# Altium PCB PCB_SAMARUC_7.PcbDoc (part 1 of 3) (continued)
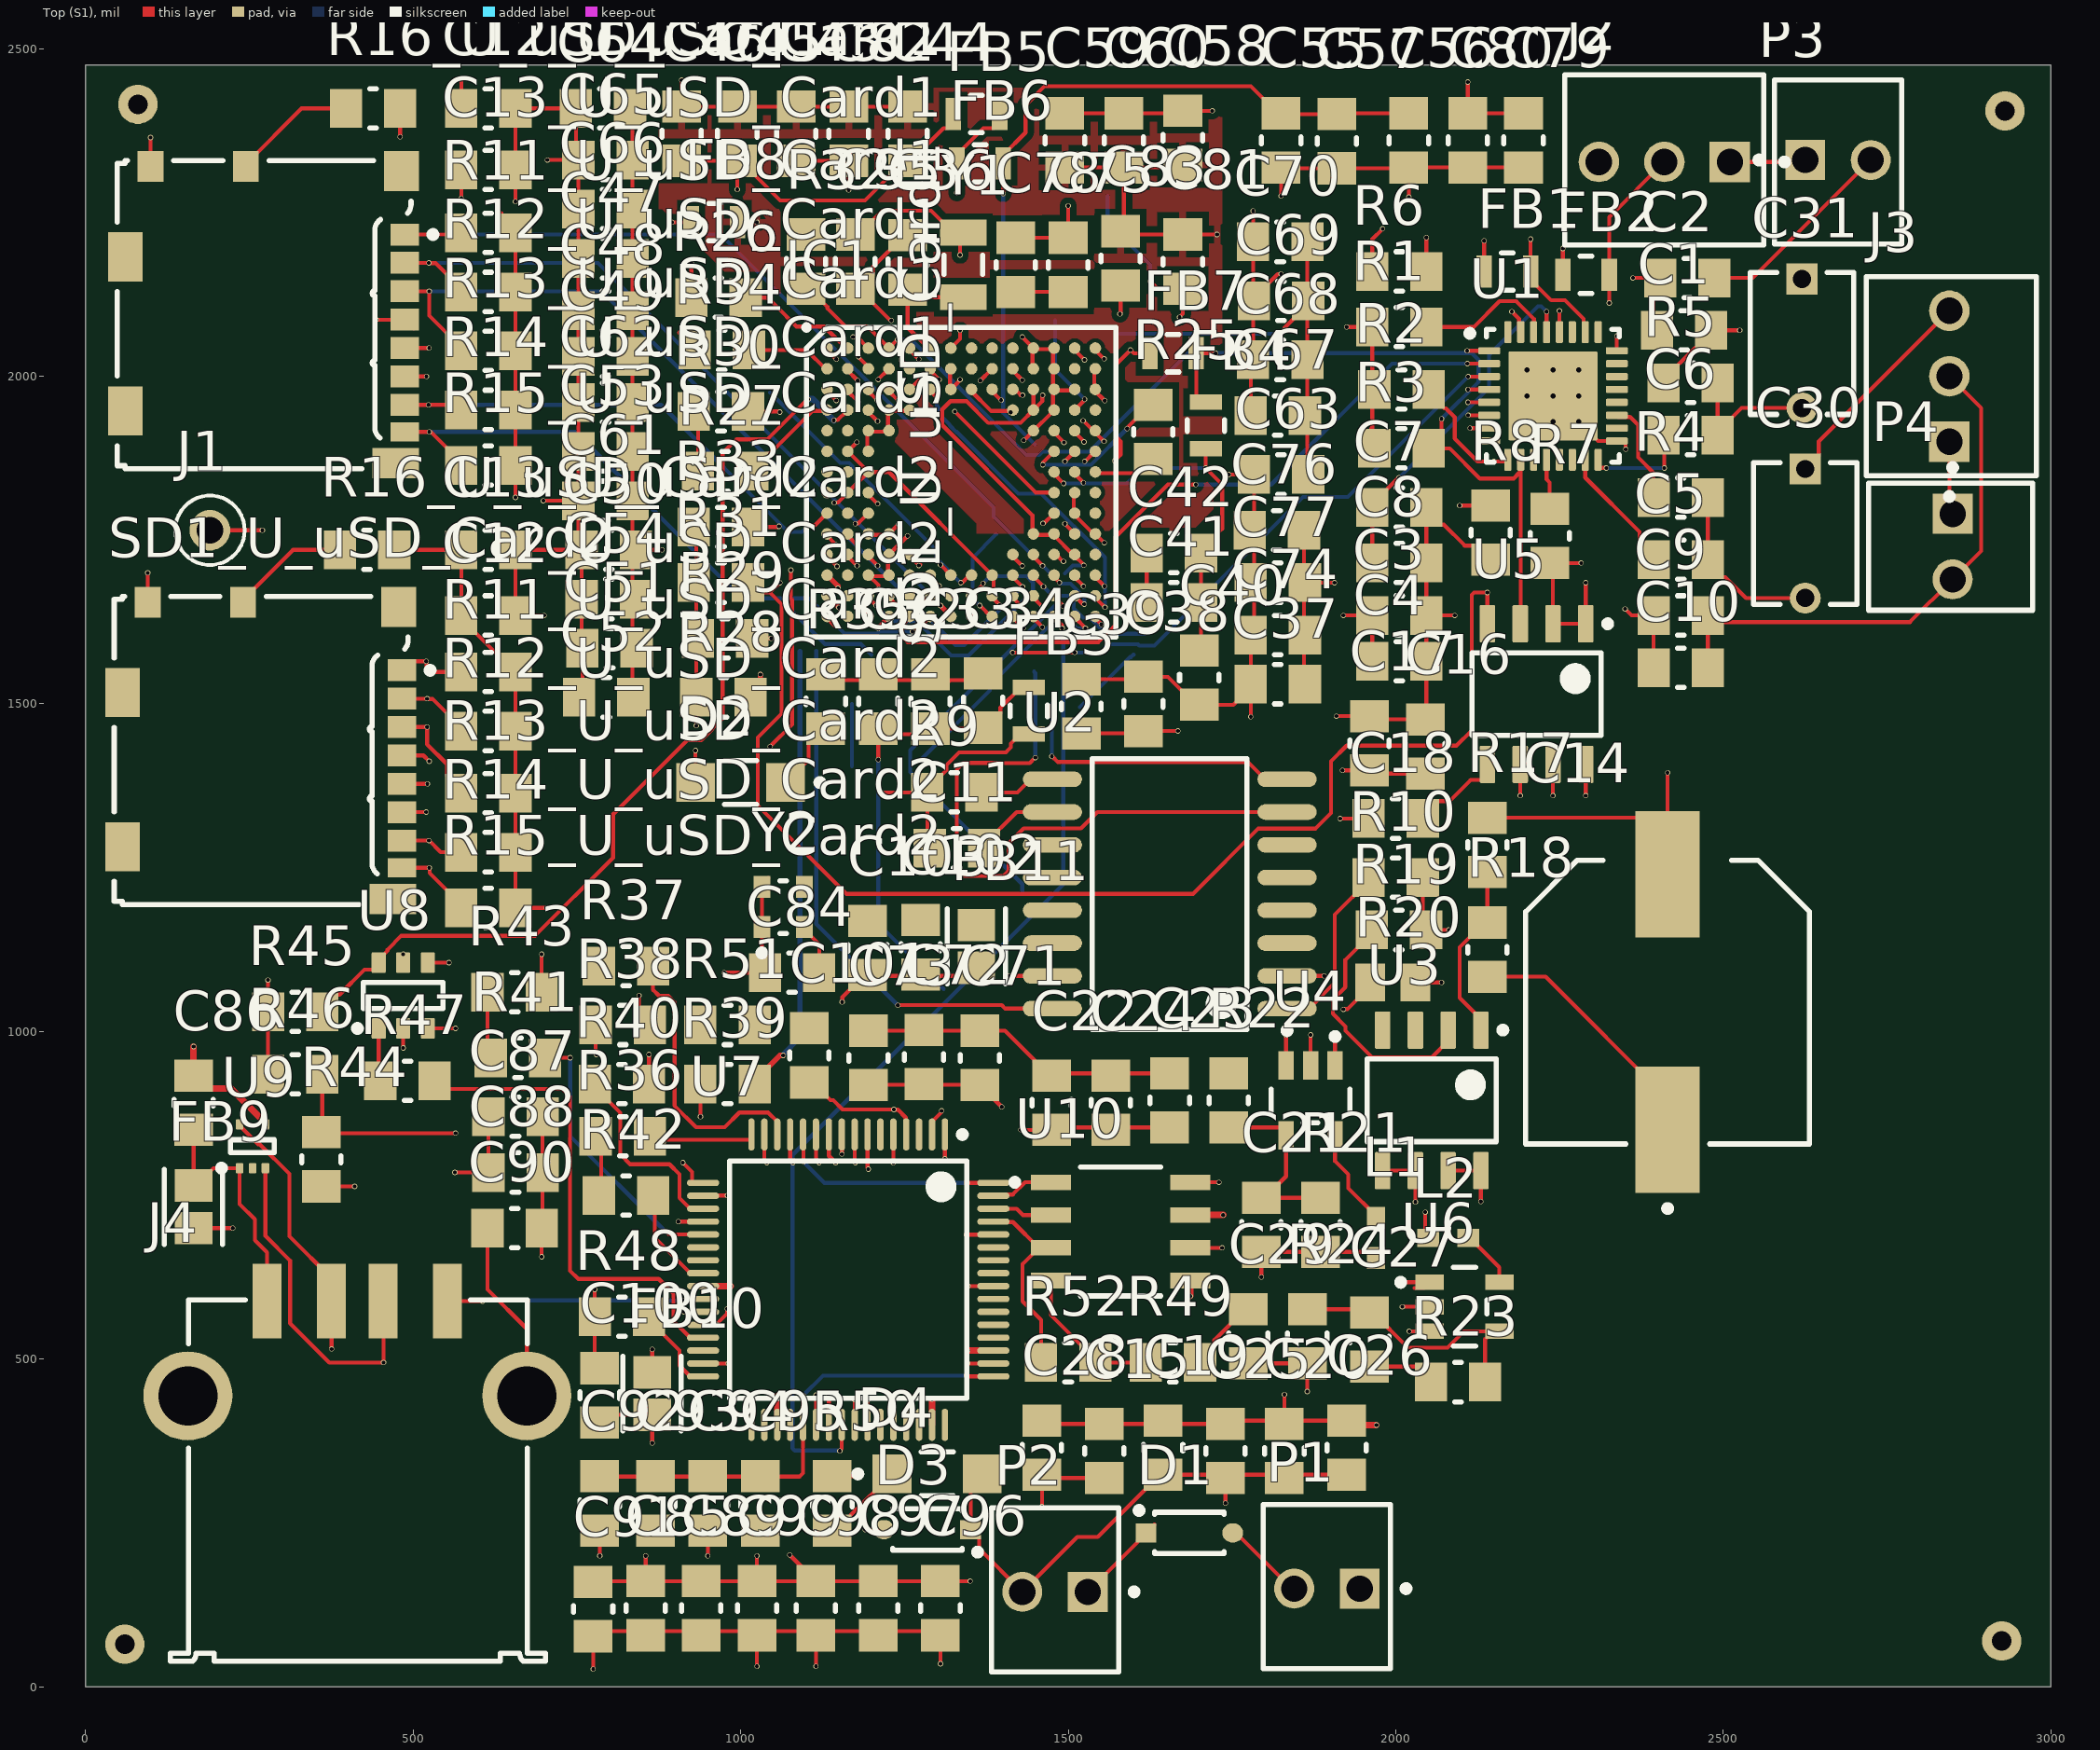
[diagram p0: Top (S1) view]
## Components (designator, comment, footprint, x,y, rotation, side; value= is the part's Value field where it differs from the comment)
C1 "10uF" 0805_C_S 2440,2070 r180 top
C2 "0.1uF" 0805_C_S 2445,2150 r180 top
C3 "10uF" 0805_C_S 2005.43,1635 r180 top
C4 "0.1uF" 0805_C_S 2005.43,1565 r180 top
C5 "0.47uF" 0805_C_S 2435,1720 r0 top
C6 "0.47uF" 0805_C_S 2450,1910 r0 top
C7 "10uF" 0805_C_S 2005.43,1800 r180 top
C8 "0.1uF" 0805_C_S 2005.43,1715 r180 top
C9 "10uF" 0805_C_S 2435,1635 r180 top
C10 "0.1uF" 0805_C_S 2435,1555 r180 top
C11 "0.1uF" 0805_C_S 1330,1280 r180 top
C12_U_uSD_Card1 "10uF" 0805_C_S 615,2408.72 r180 top (schematic designator C12)
C12_U_uSD_Card2 "10uF" 0805_C_S 615,1635 r180 top (schematic designator C12)
C13_U_uSD_Card1 "0.1uF" 0805_C_S 615,2315 r180 top (schematic designator C13)
C13_U_uSD_Card2 "0.1uF" 0805_C_S 615,1735 r180 top (schematic designator C13)
C14 "FC0V474ZFTBR24" FP-FC0V474ZFTBR24-MFG 2415,1045 r90 top
C15 "4.7uF" 0805_C_S 1555,360 r270 top
C16 "4.7uF" 0805_C_S 2045,1435 r270 top
C17 "4.7uF" 0805_C_S 1960,1440 r270 top
C18 "4.7uF" 0805_C_S 2000,1325 r180 top
C19 "1uF" 0805_C_S 1645,365 r270 top
C20 "4.7uF" 0805_C_S 1830,360 r270 top
C21 "2200pF" 0805_C_S 1795,705 r270 top
C22 "10uF" 0805_C_S 1475,891.34 r270 top
C23 "1uF" 0805_C_S 1655,895 r270 top
C24 "4.7uF" 0805_C_S 1565,891.34 r270 top
C25 "1uF" 0805_C_S 1740,360 r270 top
C26 "4.7uF" 0805_C_S 1925,365 r270 top
C27 "2200pF" 0805_C_S 1960,530 r270 top
C28 "10uF" 0805_C_S 1460,365 r270 top
C29 "4.7uF" 0805_C_S 1775,535 r90 top
C30 "RCER71H106MWK1H03B" FP-RCEWM1-MFG 2625,1760 r270 top
C31 "RCER71H106MWK1H03B" FP-RCEWM1-MFG 2620,2050 r270 top
C32 "10uF" 0805_C_S 1210,1503.66 r270 top
C33 "0.1uF" 0805_C_S 1290,1503.66 r270 top
C34 "1000pF" 0805_C_S 1370,1505 r270 top
C35 "33pF" 0805_C_S 1175,2175 r90 top
C36 "33pF" 0805_C_S 1255,2173.66 r270 top
C37 "0.1uF" 0805_C_S 1820,1530 r0 top
C38 "0.1uF" 0805_C_S 1615,1500 r270 top
C39 "10uF" 0805_C_S 1520,1496.34 r270 top
C40 "10uF" 0805_C_S 1700,1540 r90 top
C41 "0.1uF" 0805_C_S 1661.34,1655 r0 top
C42 "1000pF" 0805_C_S 1661.34,1730 r0 top
C43 "0.1uF" 0805_C_S 1085,2370 r270 top
C44 "10uF" 0805_C_S 1255,2370 r270 top
C45 "0.1uF" 0805_C_S 995,2370 r270 top
C46 "1000pF" 0805_C_S 910,2370 r270 top
C47 "0.1uF" 0805_C_S 793.66,2180 r0 top
C48 "0.1uF" 0805_C_S 793.66,2100 r0 top
C49 "0.1uF" 0805_C_S 793.66,2030 r0 top
C50 "1uF" 0805_C_S 798.66,1735 r0 top
C51 "0.01uF" 0805_C_S 800,1585 r0 top
C52 "1uF" 0805_C_S 795,1510 r0 top
C53 "0.01uF" 0805_C_S 793.66,1885 r0 top
C54 "1uF" 0805_C_S 798.66,1660 r0 top
C55 "10uF" 0805_C_S 1825,2360 r90 top
C56 "0.1uF" 0805_C_S 2020,2360 r90 top
C57 "1000pF" 0805_C_S 1910,2358.66 r90 top
C58 "10uF" 0805_C_S 1675,2363.66 r90 top
C59 "0.1uF" 0805_C_S 1495,2360 r90 top
C60 "1000pF" 0805_C_S 1585,2360 r90 top
C61 "0.1uF" 0805_C_S 793.66,1810 r0 top
C62 "0.1uF" 0805_C_S 793.66,1960 r0 top
C63 "0.1uF" 0805_C_S 1825,1850 r0 top
C64 "0.1uF" 0805_C_S 790,2408.72 r0 top
C65 "0.1uF" 0805_C_S 793.66,2330 r0 top
C66 "0.01uF" 0805_C_S 793.66,2255 r0 top
C67 "1uF" 0805_C_S 1820,1940 r0 top
C68 "0.01uF" 0805_C_S 1823.66,2025 r0 top
C69 "1uF" 0805_C_S 1825,2115 r0 top
C70 "0.01uF" 0805_C_S 1823.66,2205 r0 top
C71 "0.1uF" 0805_C_S 1365,960 r270 top
C72 "0.1uF" 0805_C_S 1280,961.34 r270 top
C73 "0.1uF" 0805_C_S 1195,960 r270 top
C74 "10uF" 0805_C_S 1820,1605 r0 top
C75 "0.1uF" 0805_C_S 1500,2170 r90 top
C76 "0.1uF" 0805_C_S 1818.66,1765 r0 top
C77 "0.1uF" 0805_C_S 1820,1685 r0 top
C78 "0.1uF" 0805_C_S 1420,2170 r90 top
C79 "0.1uF" 0805_C_S 2195,2360 r90 top
C80 "0.1uF" 0805_C_S 2110,2360 r90 top
C81 "1uF" 0805_C_S 1675,2175 r270 top
C82 "0.1uF" 0805_C_S 1165,2370 r270 top
C83 "0.1uF" 0805_C_S 1580,2180 r270 top
C84 "0.1uF" 0805_C_S 1078.66,1090 r180 top
C85 "100uF" 0805_C_S 855,120 r270 top
C86 "10uF" 0805_C_S 165,891.34 r270 top
C87 "100uF" 0805_C_S 656.34,870 r180 top
C88 "10uF" 0805_C_S 656.34,785 r180 top
C89 "1uF" 0805_C_S 940,120 r270 top
C90 "10uF" 0805_C_S 655,700 r180 top
C91 "100uF" 0805_C_S 775,118.66 r270 top
C92 "100uF" 0805_C_S 785,280 r90 top
C93 "100uF" 0805_C_S 870,280 r90 top
C94 "100uF" 0805_C_S 950,280 r90 top
C95 "10nF" 0805_C_S 1030,280 r90 top
C96 "100uF" 0805_C_S 1305,120 r270 top
C97 "100uF" 0805_C_S 1210,120 r270 top
C98 "100uF" 0805_C_S 1115,120 r270 top
C99 "10nF" 0805_C_S 1025,120 r270 top
C100 "4.7uF" 0805_C_S 785,445 r270 top
C101 "100nF" 0805_C_S 1105,963.66 r270 top
C102 "4.7uF" 0805_C_S 1275,1128.66 r270 top
C103 "100nF" 0805_C_S 1193.83,1127.51 r270 top
D1 "MBR0520LT1G" FP-425-04-IPC_C 1685,235 r0 top
D2 "LTST-C150AKT" FP-LTST-C150AKT-MFG 1000,1380 r180 top
D3 "MBR0520LT1G" FP-425-04-IPC_C 1285,240 r180 top
D4 "LTST-C150AKT" FP-LTST-C150AKT-MFG 1300,325 r0 top
FB1 "BLM21AG151SN1D" FP-BLM21-0_2-t0_85-e0_5-MFG 2170.43,2160 r0 top
FB2 "BLM21AG151SN1D" FP-BLM21-0_2-t0_85-e0_5-MFG 2290.43,2155 r0 top
FB3 "BLM21AG151SN1D" FP-BLM21-0_2-t0_85-e0_5-MFG 1440,1489.57 r90 top
FB4 "BLM21AG151SN1D" FP-BLM21-0_2-t0_85-e0_5-MFG 1710,1925 r270 top
FB5 "BLM21AG151SN1D" FP-BLM21-0_2-t0_85-e0_5-MFG 1360,2400 r180 top
FB6 "BLM21AG151SN1D" FP-BLM21-0_2-t0_85-e0_5-MFG 1365.43,2325 r0 top
FB7 "BLM21AG151SN1D" FP-BLM21-0_2-t0_85-e0_5-MFG 1660,2035 r180 top
FB8 "BLM21AG151SN1D" FP-BLM21-0_2-t0_85-e0_5-MFG 960,2235 r180 top
FB9 "BLM21PG221SN1D" FP-BLM21-0_2-t0_85-e0_5-IPC_B 165,732.51 r270 top
FB10 "BLM21PG221SN1D" FP-BLM21-0_2-t0_85-e0_5-IPC_B 865,447.51 r270 top
FB11 "BLM21PG221SN1D" FP-BLM21-0_2-t0_85-e0_5-IPC_B 1360,1130 r270 top
IC1 "TMS320C5535AZHH10" BGA144C80P14X14_1200X1200X140 1336.73,1838.23 r0 top
J1 "5004" FP-5004-MFG 190,1765 r90 top
J2 "22-11-2032" FP-22-11-2032-MFG 2410,2330 r180 top
J3 "22-11-2032" FP-22-11-2032-MFG 2847.95,2000 r90 top
J4 "62900416021" 62900416021 415,315 r0 top
L1 "742792693" SMD-0603 1970,685 r270 top
L2 "742792693" SMD-0603 2080,685 r180 top
P1 "22-23-2021" MOLX-22-23-2021_V 1895,150 r180 top
P2 "22-23-2021" MOLX-22-23-2021_V 1480,145 r180 top
P3 "22-23-2021" MOLX-22-23-2021_V 2675,2330 r0 top
P4 "22-23-2021" MOLX-22-23-2021_V 2850,1740 r270 top
R1 "4.7k" 0805_R_S 2005.43,2075 r180 top
R2 "10k" 0805_R_S 2008.66,1980 r180 top
R3 "10k" 0805_R_S 2008.66,1890 r180 top
R4 "1k" 0805_R_S 2435,1815 r0 top
R5 "1k" 0805_R_S 2450,1990 r180 top
R6 "220k" 0805_R_S 2005.43,2160 r180 top
R7 "4.7k" 0805_R_S 2235,1756.34 r90 top
R8 "10k" 0805_R_S 2145,1761.34 r90 top
R9 "10k" 0805_R_S 1326.34,1365 r0 top
R10 "10k" 0805_R_S 2000,1235 r180 top
R11_U_uSD_Card1 "10k" 0805_R_S 615,2218.72 r180 top (schematic designator R11)
R11_U_uSD_Card2 "10k" 0805_R_S 615,1548.72 r180 top (schematic designator R11)
R12_U_uSD_Card1 "10k" 0805_R_S 615,2128.72 r180 top (schematic designator R12)
R12_U_uSD_Card2 "10k" 0805_R_S 615,1458.72 r180 top (schematic designator R12)
R13_U_uSD_Card1 "10k" 0805_R_S 615,2038.72 r180 top (schematic designator R13)
R13_U_uSD_Card2 "10k" 0805_R_S 615,1363.72 r180 top (schematic designator R13)
R14_U_uSD_Card1 "10k" 0805_R_S 615,1948.72 r180 top (schematic designator R14)
R14_U_uSD_Card2 "10k" 0805_R_S 615,1273.72 r180 top (schematic designator R14)
R15_U_uSD_Card1 "10k" 0805_R_S 615,1863.72 r180 top (schematic designator R15)
R15_U_uSD_Card2 "10k" 0805_R_S 615,1188.72 r180 top (schematic designator R15)
R16_U_uSD_Card1 "10k" 0805_R_S 439.04,2408.72 r180 top (schematic designator R16)
R16_U_uSD_Card2 "10k" 0805_R_S 430,1735 r180 top (schematic designator R16)
R17 "10.7k" 0805_R_S 2140,1285 r270 top
R18 "169k" 0805_R_S 2140,1125 r270 top
R19 "220k" 0805_R_S 2005,1155 r180 top
R20 "ERJ-6GEYJ1R0V" RESC2013X70X40NL20T20 1995.55,1075 r0 top
R21 "3.6k" 0805_R_S 1885,705 r90 top
R22 "1.8k" 0805_R_S 1745,895 r90 top
R23 "8.06k" 0805_R_S 2095,465 r0 top
R24 "1.8k" 0805_R_S 1865,535 r270 top
R25 "10k" 0805_R_S 1630,1915 r90 top
R26 "10k" 0805_R_S 966.34,2120 r0 top
R27 "10k" 0805_R_S 976.34,1855 r0 top
R28 "10k" 0805_R_S 973.66,1510 r0 top
R29 "10k" 0805_R_S 976.34,1600 r0 top
R30 "10k" 0805_R_S 970,1946.34 r0 top
R31 "10k" 0805_R_S 970,1685 r0 top
R32 "10k" 0805_R_S 1100,2175 r270 top
R33 "100k" 0805_R_S 970,1770 r0 top
R34 "100k" 0805_R_S 971.34,2040 r0 top
R35 "220" 0805_R_S 1130,1503.66 r90 top
R36 "47" 0805_R_S 820,840 r180 top
R37 "10k" 0805_R_S 825,1100 r0 top
R38 "47" 0805_R_S 820,1010 r0 top
R39 "47" 0805_R_S 980,920 r0 top
R40 "47" 0805_R_S 818.66,920 r0 top
R41 "47" 0805_R_S 660,960 r180 top
R42 "47" 0805_R_S 825,750 r180 top
R43 "10k" 0805_R_S 655,1060 r0 top
R44 "47" 0805_R_S 360,805 r90 top
R45 "10k" 0805_R_S 320,1030 r0 top
R46 "10k" 0805_R_S 320,935 r180 top
R47 "47" 0805_R_S 491.34,925 r180 top
R48 "10k" 0805_R_S 818.66,565 r180 top
R49 "10k" 0805_R_S 1660,495 r180 top
R50 "220" 0805_R_S 1140,280 r270 top
R51 "12k" 0805_R_S 980,1010 r180 top
R52 "2.2k" 0805_R_S 1500,495 r180 top
SD1_U_uSD_Card1 "104031-0811" MOLX-104031-0811_V 274.04,2093.72 r90 top (schematic designator SD1)
SD1_U_uSD_Card2 "104031-0811" MOLX-104031-0811_V 269.7,1428.72 r90 top (schematic designator SD1)
U1 "TLV320AIC3204IRHBT" RHB0032E_V 2240,1970 r0 top
U2 "M25P64-VMF6TP" MICT-MF-16_N 1655,1210 r180 top
U3 "TPS76601D" D0008A_N 2055,895 r270 top
U4 "TPS62260DDCT" FP-DDC0005A-MFG 1870,895 r270 top
U5 "INA219AID" D0008A_N 2215,1515 r270 top
U6 "TPS62260DDCT" FP-DDC0005A-MFG 2105,580 r0 top
U7 "FT2232HL" FTDI-LQFP-64_L 1164.21,621.46 r270 top
U8 "SN74LVC1G175DBVR" DBV0006A_L 485,1055 r90 top
U9 "TPD2E001DRLR" DRL0005A_L 255,825 r90 top
U10 "AT93C46DN-SH-T" FP-C04-057-SN-MFG 1580,695 r0 top
Y1 "ABS07L-32.768KHZ-T" FP-ABS07L-MFG 1340,2170 r90 top
Y2 "ASDM1-12.000MHZ-LC-T" FP-ASDM-ASDMB-MFG 1065,1190 r0 top

## Footprints (in the part's own frame and the unit in brackets; to place one, negate y for a bottom-side part, rotate by r counter-clockwise, add the part's x,y. Pads: shape width x height; smd on the part's side, far side on the other; paste and mask are expansions set on the pad)
0805_C_S [mm] "Chip Resistor, Body 2.0x1.3mm, IPC Low Density"
  rect 1.25x1.5 smd: 1(-1.05,0) 2(1.05,0)
  silkscreen extent -0.13,-0.76 0.13,0.76, body extent -1.1,-0.67 1.1,0.67, height 0.8
0805_R_S [mm] "Chip Resistor, Body 2.0x1.3mm, IPC Low Density"
  rect 1.25x1.5 smd: 1(-1.05,0) 2(1.05,0)
  silkscreen extent -0.13,-0.76 0.13,0.76, body extent -1.1,-0.67 1.1,0.67, height 0.7
62900416021 [mm] "USB 2.0 SMT Type A Horizontal"
  rect 1.12x2.88 smd: 1(-3.5,6.95) 2(-1,6.95) 3(1,6.95) 4(3.5,6.95)
  round 3.45 hole 2.3: Shell(-6.57,3.28) Shell(6.57,3.28)
  silkscreen extent -7.25,-7 7.29,7, body extent -7.81,-7 7.81,8.41, height 7.81
BGA144C80P14X14_1200X1200X140 [mm]
  round 0.45 smd: A1(-5.2,5.2) A2(-4.4,5.2) A3(-3.6,5.2) A4(-2.8,5.2) A5(-2,5.2) A6(-1.2,5.2) A7(-0.4,5.2) A8(0.4,5.2) A9(1.2,5.2) A10(2,5.2) A11(2.8,5.2) A12(3.6,5.2) A13(4.4,5.2) A14(5.2,5.2) B1(-5.2,4.4) B2(-4.4,4.4) B3(-3.6,4.4) B4(-2.8,4.4) B5(-2,4.4) B6(-1.2,4.4) B7(-0.4,4.4) B8(0.4,4.4) B9(1.2,4.4) B10(2,4.4) B11(2.8,4.4) B12(3.6,4.4) B13(4.4,4.4) B14(5.2,4.4) C1(-5.2,3.6) C2(-4.4,3.6) C3(-3.6,3.6) C4(-2.8,3.6) C5(-2,3.6) C6(-1.2,3.6) C7(-0.4,3.6) C8(0.4,3.6) C9(1.2,3.6) C10(2,3.6) C11(2.8,3.6) C12(3.6,3.6) C13(4.4,3.6) C14(5.2,3.6) D1(-5.2,2.8) D2(-4.4,2.8) D3(-3.6,2.8) D4(-2.8,2.8) D5(-2,2.8) D10(2,2.8) D11(2.8,2.8) D12(3.6,2.8) D13(4.4,2.8) D14(5.2,2.8) E1(-5.2,2) E2(-4.4,2) E3(-3.6,2) E4(-2.8,2) E11(2.8,2) E12(3.6,2) E13(4.4,2) E14(5.2,2) F1(-5.2,1.2) F2(-4.4,1.2) F3(-3.6,1.2) F12(3.6,1.2) F13(4.4,1.2) F14(5.2,1.2) G1(-5.2,0.4) G2(-4.4,0.4) G3(-3.6,0.4) G12(3.6,0.4) G13(4.4,0.4) G14(5.2,0.4) H1(-5.2,-0.4) H2(-4.4,-0.4) H3(-3.6,-0.4) H12(3.6,-0.4) H13(4.4,-0.4) H14(5.2,-0.4) J1(-5.2,-1.2) J2(-4.4,-1.2) J3(-3.6,-1.2) J12(3.6,-1.2) J13(4.4,-1.2) J14(5.2,-1.2) K1(-5.2,-2) K2(-4.4,-2) K3(-3.6,-2) K4(-2.8,-2) K11(2.8,-2) K12(3.6,-2) K13(4.4,-2) K14(5.2,-2) L1(-5.2,-2.8) L2(-4.4,-2.8) L3(-3.6,-2.8) L4(-2.8,-2.8) L5(-2,-2.8) L10(2,-2.8) L11(2.8,-2.8) L12(3.6,-2.8) L13(4.4,-2.8) L14(5.2,-2.8) M1(-5.2,-3.6) M2(-4.4,-3.6) M3(-3.6,-3.6) M4(-2.8,-3.6) M5(-2,-3.6) M6(-1.2,-3.6) M7(-0.4,-3.6) M8(0.4,-3.6) M9(1.2,-3.6) M10(2,-3.6) M11(2.8,-3.6) M12(3.6,-3.6) M13(4.4,-3.6) M14(5.2,-3.6) N1(-5.2,-4.4) N2(-4.4,-4.4) N3(-3.6,-4.4) N4(-2.8,-4.4) N5(-2,-4.4) N6(-1.2,-4.4) N7(-0.4,-4.4) N8(0.4,-4.4) N9(1.2,-4.4) N10(2,-4.4) N11(2.8,-4.4) N12(3.6,-4.4) N13(4.4,-4.4) N14(5.2,-4.4) P1(-5.2,-5.2) P2(-4.4,-5.2) P3(-3.6,-5.2) P4(-2.8,-5.2) P5(-2,-5.2) P6(-1.2,-5.2) P7(-0.4,-5.2) P8(0.4,-5.2) P9(1.2,-5.2) P10(2,-5.2) P11(2.8,-5.2) P12(3.6,-5.2) P13(4.4,-5.2) P14(5.2,-5.2)
  silkscreen extent -6.1,-6 6,6.1, body extent -6,-6 6,6, height 1.4
D0008A_N [mm] "SOIC, 8-Leads, Body 5x4mm, Pitch 1.27mm, IPC Medium Density"
  rrect17% 1.45x0.6 smd: 1(-2.725,1.905) 2(-2.725,0.635) 3(-2.725,-0.635) 4(-2.725,-1.905) 5(2.725,-1.905) 6(2.725,-0.635) 7(2.725,0.635) 8(2.725,1.905)
  silkscreen extent -2.85,-2.5 1.6,2.88, body extent -3,-2.45 3,2.45, height 1.63
DBV0006A_L [mm] "SOT23, 6-Leads, Body 3.05x1.75mm, Pitch 0.95mm, IPC High Density"
  rrect18% 0.8x0.55 smd: 1(-1.275,0.95) 2(-1.275,0) 3(-1.275,-0.95) 4(1.275,-0.95) 5(1.275,0) 6(1.275,0.95)
  silkscreen extent -1.4,-1.55 0.5,1.9, body extent -1.42,-1.46 1.42,1.46, height 1.11
DRL0005A_L [mm] "SOT23, 5-Leads, Body 1.7x1.3mm, Pitch 0.5mm, IPC High Density"
  rrect33% 0.4x0.3 smd: 1(-0.85,0.5) 2(-0.85,0) 3(-0.85,-0.5) 4(0.85,-0.5) 5(0.85,0.5)
  silkscreen extent -0.97,-0.85 0.25,1.32, body extent -0.65,-0.85 0.65,0.85, height 0.6
FP-22-11-2032-MFG [mm]
  rect 1.57x1.57 hole 1.02 paste-1000 mask+0: 1(-2.54,0.075)
  round 1.57 hole 1.02 paste-1000 mask+0: 2(0,0.075) 3(2.54,0.075)
  silkscreen extent -4.79,-3.3 3.86,3.3, body extent -3.96,-3.4 3.96,3.4, height 0.25
FP-425-04-IPC_C [mm]
  rect 0.808x0.742 smd paste+0 mask+0: 1(-1.68,0)
  rrect100% 0.808x0.742 smd paste+0 mask+0: 2(1.68,0)
  silkscreen extent -2.07,-0.8 1.35,1, body extent -2.18,-0.9 2.18,0.9, height 0.25
FP-5004-MFG [mm]
  round 1.57 hole 1.02 paste-1000 mask+0: 1(0,0)
  silkscreen extent -1.34,-1.35 1.34,1.35, body extent -1.45,-1.45 1.45,1.45, height 0.25
FP-ABS07L-MFG [mm]
  rect 1x1.8 smd paste+0 mask+0: 1(-1.25,0) 2(1.25,0)
  silkscreen extent -0.38,-0.75 0.38,0.75, body extent -1.85,-1 1.85,1, height 0.25
FP-ASDM-ASDMB-MFG [mm]
  rect 0.65x0.85 smd paste+0 mask+0: 1(-0.825,-0.775) 2(0.825,-0.775) 3(0.825,0.775) 4(-0.825,0.775)
  silkscreen extent -0.95,-1.9 0.13,1.02, body extent -1.38,-1.3 1.38,1.3, height 0.25
FP-BLM21-0_2-t0_85-e0_5-IPC_B [mil]
  rect 49.41x57.33 smd paste+0 mask+0: 1(-32.51,0) 2(32.51,0)
  silkscreen extent -57,-44 57,44, body extent -67,-39 67,39, height 10
FP-BLM21-0_2-t0_85-e0_5-MFG [mm]
  rect 0.6x1.25 smd paste+0 mask+0: 1(-0.9,0) 2(0.9,0)
  silkscreen extent -0.23,-0.72 0.23,0.72, body extent -1.3,-0.82 1.3,0.82, height 0.25
FP-C04-057-SN-MFG [mm]
  rect 1.55x0.6 smd paste+0 mask+0: 1(-2.7,1.905) 2(-2.7,0.635) 3(-2.7,-0.635) 4(-2.7,-1.905) 5(2.7,-1.905) 6(2.7,-0.635) 7(2.7,0.635) 8(2.7,1.905)
  silkscreen extent -4.22,-2.5 1.55,2.5, body extent -3.57,-2.75 3.57,2.75, height 0.25
FP-DDC0005A-MFG [mm]
  rect 1.1x0.6 smd paste+0 mask+0: 1(-1.35,0.95) 2(-1.35,0) 3(-1.35,-0.95) 4(1.35,-0.95) 5(1.35,0.95)
  silkscreen extent -2.6,-1.53 0.87,1.53, body extent -2,-1.63 2,1.63, height 0.25
FP-FC0V474ZFTBR24-MFG [mm]
  rect 4.9x2.5 smd paste+0 mask+0: 1(-4.95,0) 2(4.95,0)
  silkscreen extent -8.12,-5.5 5.5,5.5, body extent -7.65,-5.75 7.65,5.75, height 0.25
FP-LTST-C150AKT-MFG [mm]
  rect 1.5x1.5 smd paste+0 mask+0: 1(-1.75,0) 2(1.75,0)
  silkscreen extent -3.2,-0.85 0.63,0.85, body extent -2.6,-0.95 2.6,0.95, height 0.25
FP-RCEWM1-MFG [mm]
  rect 1.2x1.2 hole 0.7 paste-1000 mask+0: 1(-2.5,0)
  round 1.2 hole 0.7 paste-1000 mask+0: 2(2.5,0)
  silkscreen extent -2.75,-2 2.75,2, body extent -3.2,-2.1 3.2,2.1, height 0.25
FTDI-LQFP-64_L [mm] "QFP, 64-Leads, Body 10.00x10.00mm, Pitch 0.50mm, IPC High Density"
  oval 1.25x0.25 smd: 1(-5.625,3.75) 2(-5.625,3.25) 3(-5.625,2.75) 4(-5.625,2.25) 5(-5.625,1.75) 6(-5.625,1.25) 7(-5.625,0.75) 8(-5.625,0.25) 9(-5.625,-0.25) 10(-5.625,-0.75) 11(-5.625,-1.25) 12(-5.625,-1.75) 13(-5.625,-2.25) 14(-5.625,-2.75) 15(-5.625,-3.25) 16(-5.625,-3.75) 33(5.625,-3.75) 34(5.625,-3.25) 35(5.625,-2.75) 36(5.625,-2.25) 37(5.625,-1.75) 38(5.625,-1.25) 39(5.625,-0.75) 40(5.625,-0.25) 41(5.625,0.25) 42(5.625,0.75) 43(5.625,1.25) 44(5.625,1.75) 45(5.625,2.25) 46(5.625,2.75) 47(5.625,3.25) 48(5.625,3.75)
  oval 0.25x1.25 smd: 17(-3.75,-5.625) 18(-3.25,-5.625) 19(-2.75,-5.625) 20(-2.25,-5.625) 21(-1.75,-5.625) 22(-1.25,-5.625) 23(-0.75,-5.625) 24(-0.25,-5.625) 25(0.25,-5.625) 26(0.75,-5.625) 27(1.25,-5.625) 28(1.75,-5.625) 29(2.25,-5.625) 30(2.75,-5.625) 31(3.25,-5.625) 32(3.75,-5.625) 49(3.75,5.625) 50(3.25,5.625) 51(2.75,5.625) 52(2.25,5.625) 53(1.75,5.625) 54(1.25,5.625) 55(0.75,5.625) 56(0.25,5.625) 57(-0.25,5.625) 58(-0.75,5.625) 59(-1.25,5.625) 60(-1.75,5.625) 61(-2.25,5.625) 62(-2.75,5.625) 63(-3.25,5.625) 64(-3.75,5.625)
  silkscreen extent -5.75,-4.6 4.6,4.6, body extent -6,-6 6,6, height 1.6
MICT-MF-16_N [mm] "SOIC, 16-Leads, Body 10.5x7.6mm, Pitch 1.27mm, IPC Medium Density"
  oval 2.3x0.6 smd: 1(-4.55,4.445) 2(-4.55,3.175) 3(-4.55,1.905) 4(-4.55,0.635) 5(-4.55,-0.635) 6(-4.55,-1.905) 7(-4.55,-3.175) 8(-4.55,-4.445) 9(4.55,-4.445) 10(4.55,-3.175) 11(4.55,-1.905) 12(4.55,-0.635) 13(4.55,0.635) 14(4.55,1.905) 15(4.55,3.175) 16(4.55,4.445)
  silkscreen extent -4.68,-5.25 3,5.42, body extent -3.8,-5.25 3.8,5.25, height 0.1
MOLX-22-23-2021_V [mm] "THD, 2-Leads, Body 6.35x4.93mm, Pitch 2.54mm"
  rect 1.55x1.55 hole 1.02: 1(-1.27,0)
  round 1.55 hole 1.02: 2(1.27,0)
  silkscreen extent -3.19,-3.25 2.46,3.1, body extent -2.46,-3.25 2.46,3.1, height 10.66
MOLX-104031-0811_V [mm] "Micro SD, 8-Leads, Body 11.95x11.4mm, Pitch 1.1mm"
  rect 0.85x1.1 smd: 1(3.113,-5.412) 2(2.013,-5.412) 3(0.913,-5.412) 4(-0.188,-5.412) 5(-1.288,-5.412) 6(-2.387,-5.412) 7(-3.487,-5.412)
  rect 0.75x1.1 smd: 8(-4.537,-5.412)
  rect 1.2x1 smd: 9(5.748,0.738) 10(5.748,4.438)
  rect 1.55x1.35 smd: 11(5.573,-5.287)
  rect 1.17x1.8 smd: 12(-5.747,-5.062)
  rect 1.9x1.35 smd: 13(-3.722,5.413) 14(2.248,5.413)
  silkscreen extent -5.97,-6.64 5.98,5.74, body extent -5.97,-5.66 5.98,5.74, height 1.45
RESC2013X70X40NL20T20 [mm] "Chip Resistor, 2-Leads, Body 2.00x1.25mm, IPC Medium Density"
  rect 1.15x1.45 smd: 1(-0.875,0) 2(0.875,0)
  body extent -1.1,-0.72 1.1,0.72, height 0.7
RHB0032E_V [mm] "QFN, 32-Leads, Body 5x5mm, Pitch 0.5mm, Thermal Pad 3.45x3.45mm"
  rrect36% 0.85x0.28 smd: 1(-2.475,1.75) 2(-2.475,1.25) 3(-2.475,0.75) 4(-2.475,0.25) 5(-2.475,-0.25) 6(-2.475,-0.75) 7(-2.475,-1.25) 8(-2.475,-1.75) 17(2.475,-1.75) 18(2.475,-1.25) 19(2.475,-0.75) 20(2.475,-0.25) 21(2.475,0.25) 22(2.475,0.75) 23(2.475,1.25) 24(2.475,1.75)
  rrect36% 0.28x0.85 smd: 9(-1.75,-2.475) 10(-1.25,-2.475) 11(-0.75,-2.475) 12(-0.25,-2.475) 13(0.25,-2.475) 14(0.75,-2.475) 15(1.25,-2.475) 16(1.75,-2.475) 25(1.75,2.475) 26(1.25,2.475) 27(0.75,2.475) 28(0.25,2.475) 29(-0.25,2.475) 30(-0.75,2.475) 31(-1.25,2.475) 32(-1.75,2.475)